# Altium PCB PCB.PcbDoc (part 1 of 2) (continued)
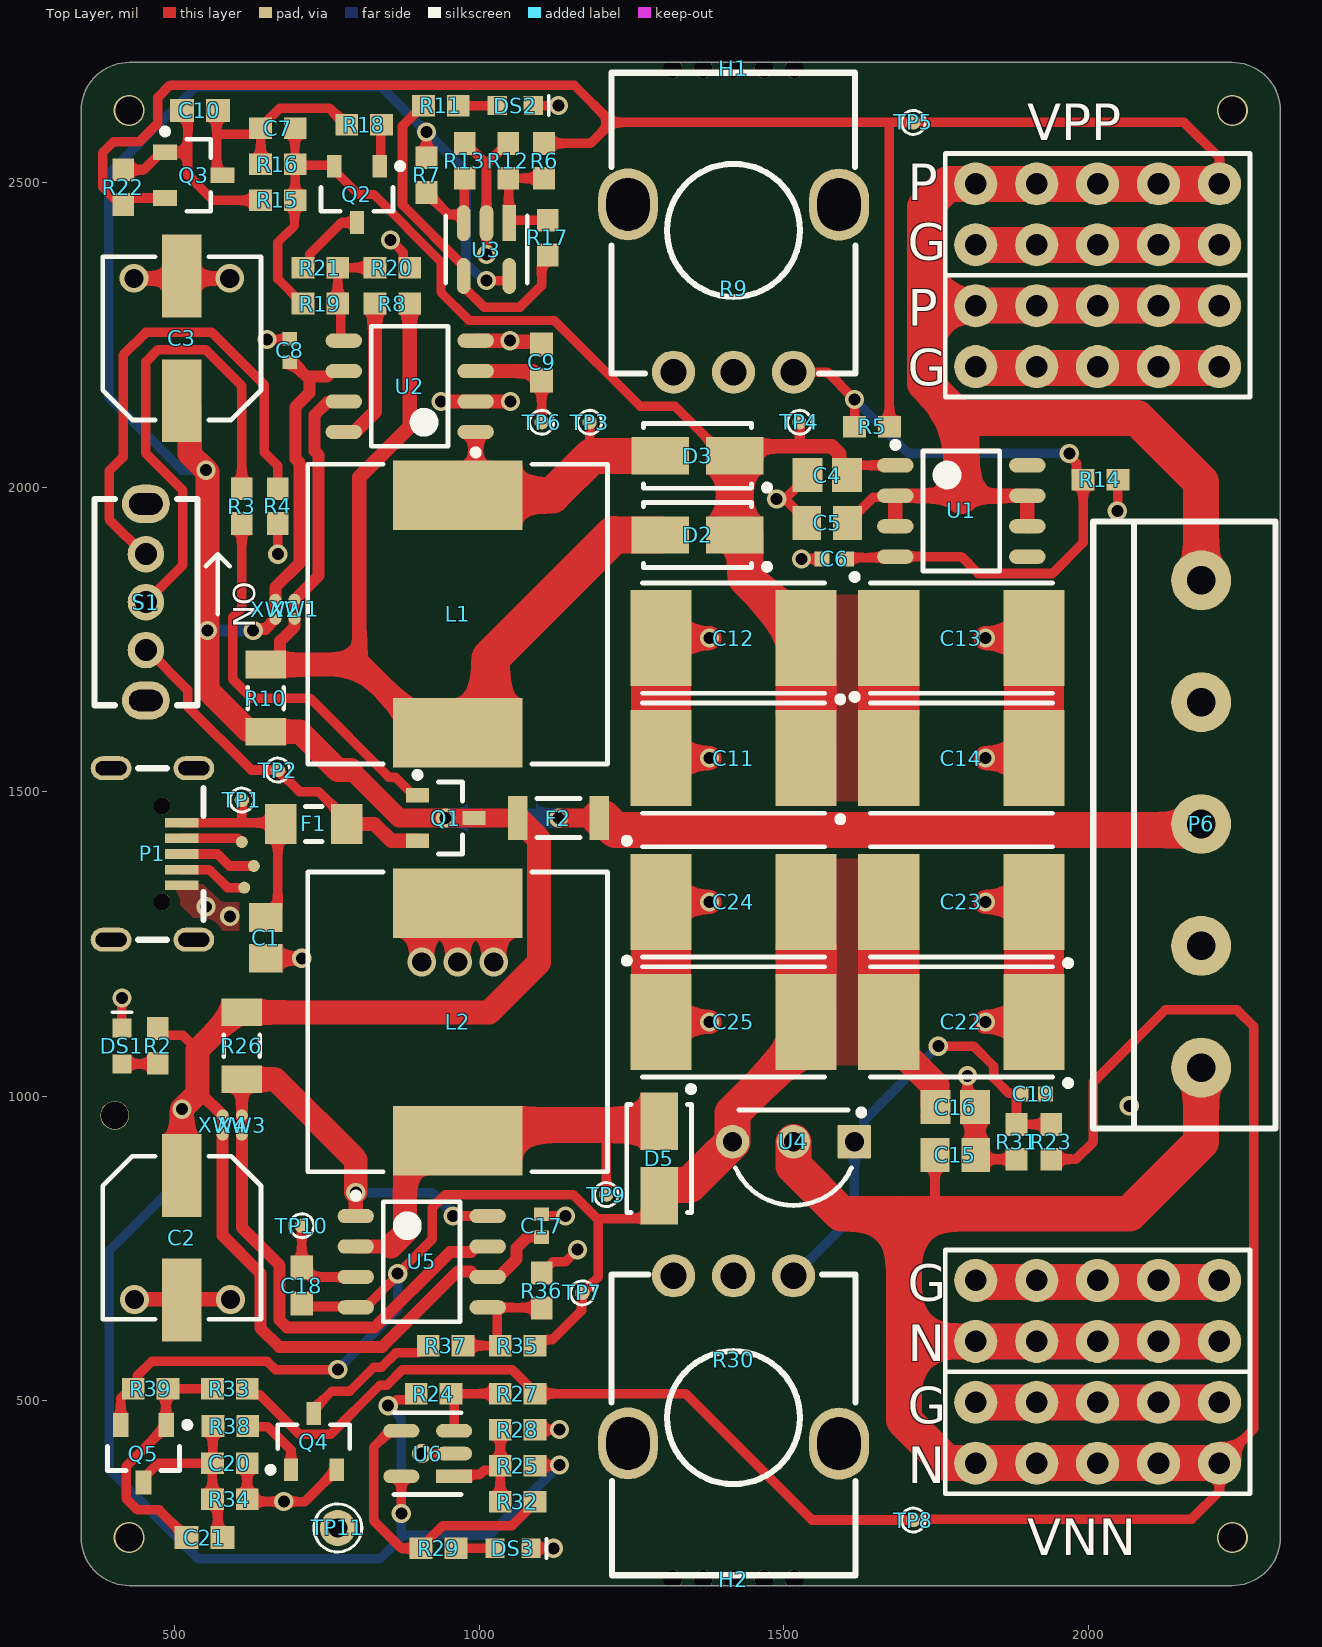
[diagram p0: Top Layer view]
## Components (designator, comment, footprint, x,y, rotation, side; value= is the part's Value field where it differs from the comment) (continued)
R8 "0603WAF1200T5E" 0603 857.28,2301.18 r180 top value=120R
R9 "RK09K1130AU2" RK09K113 1417.32,2421.26 r0 top
R10 "1206W4F680LT5E" 1206 649.61,1653.54 r270 top value=0R68
R11 "0603WAF3300T5E" 0603 937.01,2625.98 r180 top value=330R
R12 "0603WAF3302T5E" 0603 1047.24,2535.43 r90 top value=33K
R13 "0603WAF1202T5E" 0603 976.38,2535.43 r90 top value=12K
R14 "0603WAF2701T5E" 0603 2019.68,2011.81 r0 top value=2K7
R15 "0603WAF4702T5E" "0603 (Uniroyal) B" 669.29,2470.47 r180 top value=47K
R16 "0603WAF2702T5E" 0603 669.29,2529.53 r180 top value=27K
R17 "0603WAF1003T5E" 0603 1112.2,2409.45 r270 top value=100K
R18 "0603WAF1002T5E" 0603 811.02,2594.49 r0 top value=10K
R19 "0603WAF5602T5E" 0603 739.17,2301.18 r180 top value=56K
R20 "0603WAF5601T5E" 0603 857.28,2360.24 r180 top value=5K6
R21 "0603WAF5601T5E" 0603 739.17,2360.24 r180 top value=5K6
R22 "0603WAF1002T5E" "0603 (Uniroyal) B" 415.35,2492.13 r270 top value=10K
R23 "0603WAF2400T5E" 0603 1938.98,925.2 r90 top value=240R
R24 "0603WAF3302T5E" 0603 925.2,511.81 r0 top value=33K
R25 "0603WAF3302T5E" 0603 1062.99,393.7 r180 top value=33K
R26 "1206W4F680LT5E" 1206 610.24,1082.68 r90 top value=0R68
R27 "0603WAF1003T5E" 0603 1062.99,511.81 r0 top value=100K
R28 "0603WAF5602T5E" 0603 1062.99,452.76 r0 top value=56K
R29 "0603WAF3300T5E" 0603 933.07,257.87 r0 top value=330R
R30 "RK09K1130AU2" RK09K113 1417.32,472.44 r180 top
R31 "0603WAF2701T5E" 0603 1881.89,925.2 r270 top value=2K7
R32 "0603WAF1003T5E" 0603 1062.99,334.65 r0 top value=100K
R33 "0603WAF4702T5E" "0603 (Uniroyal) B" 590.55,519.68 r180 top value=47K
R34 "0603WAF2702T5E" 0603 590.55,338.58 r180 top value=27K
R35 "0603WAF5601T5E" 0603 1062.99,590.55 r0 top value=5K6
R36 "0603WAF5602T5E" 0603 1102.36,681.1 r90 top value=56K
R37 "0603WAF5601T5E" 0603 944.88,590.55 r0 top value=5K6
R38 "0603WAF1002T5E" 0603 591.54,458.66 r0 top value=10K
R39 "0603WAF1002T5E" "0603 (Uniroyal) B" 460.63,519.68 r180 top value=10K
S1 "SS12D07L2B" SS12D07 452.76,1811.02 r270 top
TP1 "Test Point" "Test Point 0.6" 610.24,1486.22 r90 top
TP2 "Test Point" "Test Point 0.6" 669.29,1535.43 r90 top
TP3 "Test Point" "Test Point 0.6" 1181.1,2106.3 r90 top
TP4 "Test Point" "Test Point 0.6" 1525.59,2106.3 r90 top
TP5 "Test Point" "Test Point 0.6" 1712.6,2598.43 r90 top
TP6 "Test Point" "Test Point 0.6" 1102.36,2106.3 r90 top
TP7 "Test Point" "Test Point 0.6" 1169.29,677.17 r90 top
TP8 "Test Point" "Test Point 0.6" 1712.6,304.32 r90 top
TP9 "Test Point" "Test Point 0.6" 1208.66,838.58 r90 top
TP10 "Test Point" "Test Point 0.6" 708.66,787.4 r90 top
TP11 "Test Point" "Test Point 0.8 TH" 767.72,291.34 r90 top
U1 "LM317LBDR2G" "SOIC-8 NB" 1791.34,1960.63 r270 top
U2 "MC34063ADR2G" "SOIC-8 NB" 885.83,2165.35 r90 top
U3 "LMV321IDBVR" FP-DBV0005A-IPC_B 1011.81,2389.76 r270 top
U4 "LM337LZ/NOPB" "TO-92 (LM337)" 1515.75,925.2 r270 top
U5 "MC34063ADR2G" "SOIC-8 NB" 905.51,728.35 r270 top
U6 "LMV321IDBVR" FP-DBV0005A-IPC_B 915.35,413.39 r180 top
XW1 "Short 2 Nets" "Short 0.5mm 2 Net" 696.85,1799.21 r270 top net-tie value=0
XW2 "Short 2 Nets" "Short 0.5mm 2 Net" 665.35,1799.21 r270 top net-tie value=0
XW3 "Short 2 Nets" "Short 0.5mm 2 Net" 610.24,952.76 r90 top net-tie value=0
XW4 "Short 2 Nets" "Short 0.5mm 2 Net" 578.74,952.76 r90 top net-tie value=0

## Footprints (in the part's own frame and the unit in brackets; to place one, negate y for a bottom-side part, rotate by r counter-clockwise, add the part's x,y. Pads: shape width x height; smd on the part's side, far side on the other; paste and mask are expansions set on the pad)
0402_050 [mm] "Chip Capacitor, 2-Leads, Body 1,00x0,50mm, IPC Medium Density"
  rect 0.62x0.62 smd: 1(-0.51,0) 2(0.51,0)
  body extent -0.48,-0.28 0.48,0.28, height 0.55
0402_050_5_N [mm] "Chip Capacitor, 2-Leads, Body 1,00x0,50mm, IPC Medium Density"
  rect 0.57x0.62 smd: 1(-0.485,0) 2(0.485,0)
  body extent -0.53,-0.28 0.53,0.28, height 0.55
0603 [mm] "Chip Resistor, 2-Leads, Body 1,60x0,80mm, IPC Medium Density"
  rect 0.95x0.9 smd: 1(-0.725,0) 2(0.725,0)
  body extent -0.85,-0.45 0.85,0.45, height 0.55
"0603 (Uniroyal) B" [mm] "Chip Resistor, 2-Leads, Body 1.60x0.80mm, IPC Medium Density"
  rect 0.95x0.9 smd: 1(-0.725,0) 2(0.725,0)
  body extent -0.85,-0.45 0.85,0.45, height 0.55
0603_080_8_N [mm] "Chip Capacitor, 2-Leads, Body 1,60x0,80mm, IPC Medium Density"
  rect 1x0.95 smd: 1(-0.75,0) 2(0.75,0)
  body extent -0.85,-0.45 0.85,0.45, height 0.9
0605_065_A_N [mm] "Chip Capacitor, 2-Leads, Body 2,00x1,25mm, IPC Medium Density"
  rect 1.2x1.4 smd: 1(-0.85,0) 2(0.85,0)
  body extent -1.05,-0.67 1.05,0.67, height 0.75
0805#1 [mm] "Chip Capacitor, 2-Leads, Body 2,00x1,25mm, IPC Medium Density"
  rect 1.25x1.4 smd: 1(-0.825,0) 2(0.825,0)
  body extent -1.05,-0.67 1.05,0.67, height 0.9
0805#2 [mm] "Chip Resistor, 2-Leads, Body 2,00x1,27mm, IPC Medium Density"
  rect 1.1x1.4 smd: 1(-0.875,0) 2(0.875,0)
  body extent -1.07,-0.7 1.07,0.7, height 0.65
0805_125_F_N [mm] "Chip Capacitor, 2-Leads, Body 2,00x1,25mm, IPC Medium Density"
  rect 1.2x1.4 smd: 1(-0.85,0) 2(0.85,0)
  body extent -1.05,-0.67 1.05,0.67, height 1.35
1206 [mm] "Chip Resistor, 2-Leads, Body 3,10x1,58mm, IPC Medium Density"
  rect 1.15x1.7 smd: 1(-1.4,0) 2(1.4,0)
  silkscreen extent -0.45,-0.75 0.45,0.75, body extent -1.63,-0.85 1.63,0.85, height 0.65
"CAPAE 6354" [mm] "Aluminum Electrolytic Capacitor, Body 6,60x6,50x5,90mm, IPC Low Density"
  rect 3.45x1.65 smd: 1(2.6,0) 2(-2.6,0)
  silkscreen extent -3.4,-3.3 3.4,3.3, body extent -3.5,-3.3 3.5,3.3, height 5.9
"CASE D" [mm] "Molded Capacitor, 2-Leads, Body 7,30x4,30mm, IPC Medium Density"
  rect 2.55x4 smd: 1(3.025,0) 2(-3.025,0)
  silkscreen extent -3.8,-2.67 4.58,2.3, body extent -4.02,-2.3 4.02,2.3, height 3.1
DO-214AC [mm] "Molded Diode, 2-Leads, Body 4,25x2,50mm, IPC Medium Density"
  rect 2.4x1.55 smd: 1(1.55,0) 2(-1.55,0)
  silkscreen extent -2.25,-1.45 3.03,1.35, body extent -2.47,-1.35 2.47,1.35, height 2.2
FP-DBV0005A-IPC_B [mm]
  rect 1.505x0.572 smd: 1(-1.1,0.95)
  rrect100% 1.505x0.572 smd: 2(-1.1,0) 3(-1.1,-0.95) 4(1.1,-0.95) 5(1.1,0.95)
  silkscreen extent -1.4,-1.7 1.4,1.7, body extent -1.5,-1.52 1.5,1.53, height 1.45
FUSE3216X09N [mm] "SMD Fuse 2-Leads, Body 3,25x1,65mm, IPC Medium Density"
  rect 0.82x1.83 smd: 1(-1.695,0) 2(1.695,0)
  silkscreen extent -0.9,-0.81 0.9,0.81, body extent -1.65,-0.81 1.65,0.82, height 0.82
"Fuse 1206 (Littlefuse 468) B" [mm] "Chip Fuse, 2-Leads, Body 3,18x1,52mm, IPC Medium Density"
  rect 1.3x1.65 smd: 1(-1.375,0) 2(1.375,0)
  silkscreen extent -0.35,-0.72 0.35,0.72, body extent -1.65,-0.82 1.65,0.81, height 0.82
"LED 0603" [mm] "Chip LED, 2-Leads, Body 1,60x0,80mm, IPC Medium Density"
  rect 0.8x0.8 smd: A(0.75,0) K(-0.75,0)
  silkscreen extent -1.4,-0.4 -1.4,0.4, body extent -0.8,-0.4 0.8,0.4, height 0.8
"MICRO 4P DIP" [mm] "Micro USB Connector SMT with TH Mounts"
  rect 1.4x0.4 smd: 1(0,-1.3) 2(0,-0.65) 3(0,0) 4(0,0.65) 5(0,1.3)
  oval 1.7x1 hole 0.6 slot 1.3 at 0 deg: 6(-0.5,3.575) 6(-0.5,-3.575) 6(2.95,3.575) 6(2.95,-3.575)
  round 0.7 hole 0.7 unplated: ""(0.825,2) ""(0.825,-2)
  silkscreen extent -0.91,-3.57 1.82,3.57, body extent -1.1,-4 5.5,4, height 2.77
"Mouse Bites 5 IPC-7351" [mil] "IPC-7351 Specified Mouse Bites"
  round 31 hole 31 unplated paste+5.83 mask+5.83: ""(-100,10) ""(-50,10) ""(0,10) ""(50,10) ""(100,10)
"Pin Header 10 2 Vertical Male" [mm] "Pin Header 10 Way Double Row Male Verical 100mil Spacing"
  round 1.8 hole 0.9: 1(-1.27,5.08) 2(1.27,5.08) 3(-1.27,2.54) 4(1.27,2.54) 5(-1.27,0) 6(1.27,0) 7(-1.27,-2.54) 8(1.27,-2.54) 9(-1.27,-5.08) 10(1.27,-5.08)
  silkscreen extent -2.54,-6.35 2.54,6.35, body extent -2.54,-6.35 2.54,6.35, height 9.5
RK09K113 [mm] "Through Hole Potentiometer Vertical"
  round 1.8 hole 1.1: 1(-2.5,-5.913) 2(0,-5.913) 3(2.5,-5.913)
  oval 2.5x3 hole 1.8 slot 2.2 at 90 deg: 4(-4.4,1.087) 5(4.4,1.072)
  silkscreen extent -5.09,-5.97 5.08,6.57, body extent -5.7,-6.15 5.7,6.5, height 15.01
"SCREW DOWN 5" [mm] "Scre Down 5 Terminal"
  round 2.5 hole 1.2: 1(-10.16,0) 2(-5.08,0) 3(0,0) 4(5.08,0) 5(10.16,0)
  silkscreen extent -12.62,-4.5 12.7,3.1, body extent -12.5,-4.5 13.1,3.1, height 10.1
"Short 0.5mm 2 Net" [mm] "Net Tie 0.5mm Width 2 Nets"
  round 0.5 smd mask+0: 1(-0.4,0) 2(0.4,0)
  Top Layer lines w0.5: 0.4,0 -0.4,0
"SOIC-8 NB" [mm] "SOIC, 8-Leads, Body 4,90x3,90mm, Pitch 1,27mm, IPC Medium Density"
  oval 0.6x1.52 smd: 1(-1.905,-2.75) 2(-0.635,-2.75) 3(0.635,-2.75) 4(1.905,-2.75) 5(1.905,2.75) 6(0.635,2.75) 7(-0.635,2.75) 8(-1.905,2.75)
  silkscreen extent -2.88,-2.87 2.5,1.6, body extent -2.5,-3 2.5,3, height 1.75
"SOT-23-3 (2N7002)" [mm] "SOT23, 3-Leads, Body 2,90x2,40mm, Pitch 0,95mm, IPC Medium Density"
  rect 0.95x0.6 smd: 1(1.175,-0.95) 2(1.175,0.95) 3(-1.175,0)
  silkscreen extent -0.7,-1.92 1.3,1.5, body extent -1.28,-1.5 1.28,1.5, height 1.15
"SOT-23-3 Generic" [mm] "SOT23, 3-Leads, Body 2,92x2,37mm, Pitch 0,95mm, IPC Medium Density"
  rect 1x0.65 smd: 1(1.2,-0.95) 2(1.2,0.95) 3(-1.2,0)
  silkscreen extent -0.7,-1.95 1.32,1.5, body extent -1.32,-1.52 1.32,1.52, height 1.12
SS12D07 [mil] "Through Hile Toggle Slide Switch"
  round 60 hole 36: 1(-78.74,0) 2(0,0) 3(78.74,0)
  oval 62.99x78.74 hole 35.43 slot 55.12 at 90 deg: EH(-161.42,0) EH(161.42,0)
  silkscreen extent -169,-85 169,85, body extent -169,-89 169,89, height 303
SWRB1207S [mm] "Precision Wire Wound Inductor, 2-Leads, Body 12,50x12,50mm, IPC Medium Density"
  rect 2.9x5.4 smd: 1(-4.95,0) 2(4.95,0)
  silkscreen extent -6.25,-6.25 6.25,6.25, body extent -6.35,-6.25 6.35,6.25, height 8.1
"Test Point 0.6" [mm] "Test Point 0.6mm w/ Silk Circle"
  round 0.6 smd: 1(0,0)
  silkscreen extent -0.5,-0.5 0.5,0.5
"Test Point 0.8 TH" [mm] "Test Point 0.6mm w/ Silk Circle"
  round 1.5 hole 0.8: 1(0,0)
  silkscreen extent -1,-1 1,1
"TO-92 (LM337)" [mm]
  rrect7% 1.4x1.4 hole 0.8: 1(0,2.54)
  round 1.4 hole 0.8: 2(0,0) 3(0,-2.54)
  silkscreen extent -1.35,-2.41 2.65,2.95, body extent -1.33,-2.83 2.35,2.83, height 9.01

## Part data
C1: library part "MLCC 10nF 0805 50V X7R", "MLCC 10nF 0805 50V X7R ±10%", Dielectric=X7R, LCSC Part Number=C1710, Package=0805, Supplier Part Number 1=1276-1015-1-ND, Tolerance=±10%, Voltage=50V, ComponentLink1Description=Datasheet, ComponentLink1URL=https://datasheet.lcsc.com/szlcsc/Samsung-Electro-Mechanics-CL05C100JB5NNNC_C32949.pdf, Populate=CRITICAL, Supplier 1=Digi-Key
C2 C3: library part "Cap AlEl 220uF 10V", "Aluminium Electrolytic Capacitor 220uF CAPAE 10V ±20%", Dielectric=AlEl, LCSC Part Number=C3345, Manufacturer="Honor Elec", Package=CAPAE, Tolerance=±20%, Voltage=10V, ComponentLink1Description=Datasheet, ComponentLink1URL=https://datasheet.lcsc.com/szlcsc/Samsung-Electro-Mechanics-CL05C100JB5NNNC_C32949.pdf, Populate=CRITICAL
C4 C16: library part "MLCC 100nF 50V 0805 X7R", "MLCC 100nF 50V 0805 X7R ±10%", Dielectric=X7R, LCSC Part Number=C49678, Package=0805, Tolerance=±10%, Voltage=50V, ComponentLink1Description=Datasheet, ComponentLink1URL=https://datasheet.lcsc.com/szlcsc/YAGEO-CC0603KRX7R9BB104_C14663.pdf, Populate=DNP
C5 C15: library part "MLCC 1uF 0805 50V X7R", "MLCC 1uF 0805 50V X7R ±10%", Dielectric=X7R, LCSC Part Number=C28323, Package=0805, Supplier Part Number 1=1276-1029-1-ND, Tolerance=±10%, Voltage=50V, ComponentLink1Description=Datasheet, ComponentLink1URL=https://datasheet.lcsc.com/szlcsc/Samsung-Electro-Mechanics-CL05C100JB5NNNC_C32949.pdf, Populate=CRITICAL, Supplier 1=Digi-Key, Supplier 2=Digi-Key, Supplier Part Number 2=1276-1026-1-ND
C6 C19: library part "MLCC 3.3pF 0402 50V C0G", "MLCC 3.3pF 0402 50V C0G ±0.25pF", Dielectric=C0G, LCSC Part Number=C1565, Package=0402, Tolerance=±0.25pF, Voltage=50V, ComponentLink1Description=Datasheet, ComponentLink1URL=https://datasheet.lcsc.com/szlcsc/Guangdong-Fenghua-Advanced-Tech-0402B102K500NT_C1523.pdf, Populate=CRITICAL
C7 C20: library part "MLCC 100nF 50V 0603 X7R", "MLCC 100nF 50V 0603 X7R ±10%", Dielectric=X7R, LCSC Part Number=C14663, Package=0603, Supplier Part Number 1=311-1344-6-ND, Tolerance=±10%, Voltage=50V, ComponentLink1Description=Datasheet, ComponentLink1URL=https://datasheet.lcsc.com/szlcsc/YAGEO-CC0603KRX7R9BB104_C14663.pdf, Populate=CRITICAL, Supplier 1=Digi-Key
C8 C17: library part "MLCC 100nF 0402 16V X7R", "MLCC 100nF 0402 16V X7R ±10%", Dielectric=X7R, LCSC Part Number=C1525, Package=0402, Tolerance=±10%, Voltage=16V, ComponentLink1Description=Datasheet, ComponentLink1URL=https://datasheet.lcsc.com/szlcsc/Samsung-Electro-Mechanics-CL05C100JB5NNNC_C32949.pdf, Populate=CRITICAL
C9 C18: library part "MLCC 1nF 0603 50V X7R", "MLCC 1nF 0603 50V X7R ±10%", Dielectric=X7R, LCSC Part Number=C1588, Package=0603, Tolerance=±10%, Voltage=50V, ComponentLink1Description=Datasheet, ComponentLink1URL=https://datasheet.lcsc.com/szlcsc/Samsung-Electro-Mechanics-CL05C100JB5NNNC_C32949.pdf, Populate=CRITICAL
C10 C21: library part CMP-045-000007-1, "MLCC 10pF 0603 C0G ±0.1pF", Dielectric=C0G, LCSC Part Number=C1634, Package=0603, Tolerance=±0.1pF, Voltage=50V, ComponentLink1Description=Datasheet, ComponentLink1URL=https://datasheet.lcsc.com/szlcsc/Samsung-Electro-Mechanics-CL05C100JB5NNNC_C32949.pdf, Design Item ID="MLCC 10pF 0603 50V C0G", Populate=DNP, Source="MLCCs Samsung.SchLib"
C11 C12 C13 C14 C22 C23 C24 C25: library part "Cap Tant 100uF 16V Vishay", "Tantalum Capacitor 100uF 16V ±20%", Dielectric=Tant, LCSC Part Number=C129696, Manufacturer=Vishay, Package=7343, Tolerance=±20%, Voltage=16V, ComponentLink1Description=Datasheet, ComponentLink1URL=https://datasheet.lcsc.com/szlcsc/Vishay-Intertech-293D107X9016D2TE3_C129696.pdf, Populate=CRITICAL
D2 D3 D5: "Schottky Barrier Diode 40V 3A0 550mV", LCSC Part Number=C8678, Manufacturer=MDD, Package=DO-214AC, ComponentLink1Description=Datasheet, ComponentLink1URL=https://datasheet.lcsc.com/szlcsc/1903051003_MDD-Jiangsu-Yutai-Elec-SS34_C8678.pdf, DC Forward Curent=3A0, DC Reverse Blocking=40V, Placement=CRITICAL
DS1 DS2 DS3: library part CMP-035-000000-4, "LED 0603 SMT Green", Colour=Green, Forward Current=20mA, Forward Voltage=3V3, LCSC Part Number=C72043, Package=0603, ComponentLink1Description=Datasheet, ComponentLink1URL=https://datasheet.lcsc.com/szlcsc/Everlight-Elec-19-217-GHC-YR1S2-3T_C72043.pdf, Dominant Wavelength=528nm, Pin Count=2, Placement=CRITICAL
F1: library part CMP-005-00003-1, "Fuse 1A 63VAC/VDC SMD Littlefuse", Current=1A, LCSC Part Number=C45157, Max Operating Temperature=90°C, Min Operating Temperature=-55°C, Package=1206, Resistance=79mR, Voltage=63V, Body Material="Thin Film", ComponentLink1Description=Datasheet, ComponentLink1URL=https://datasheet.lcsc.com/lcsc/1810111814_Littelfuse-0468001.NRHF_C45157.pdf, Placement=CRITICAL, RoHS Compliant=Yes
F2: library part CMP-065-000000-4, "Fuse SMD PTC Resettable 460mA 30VDC 1206", Current=460mA, LCSC Part Number=C69680, Package=1206, Resistance=350mR, Voltage=30V, ComponentLink1Description=Datasheet, ComponentLink1URL=https://datasheet.lcsc.com/lcsc/1811141110_TECHFUSE-nSMD020-30V_C69680.pdf, Design Item ID="Fuse 460mA PTC 1206", Placement=CRITICAL, Source=Fuses.SchLib, Type="PTC Resettable"
H1 H2: library part CMP-00028-00006-1, "Mouse Bites 5 Hile Specified by IPC-7351", Size=31mil
L1 L2: library part "Inductor 330uH ±20% 0A95", "Inductor 330uH ±20% 0A95 640mR Moulded SMD 12.5x12.5x8.0mm", DC Resistance=640mR, LCSC Part Number=C169381, Manufacturer=Sunlord, Rated Current=0A95, Tolerance=±20%, ComponentLink1Description=Datasheet, ComponentLink1URL=https://datasheet.lcsc.com/szlcsc/1912111437_Sunlord-MWSA0603S-220MT_C408453.pdf, Populate=CRITICAL, Saturation Current=0A95
P1: "Micro USB Connector SMT with TH Mounts", LCSC Part Number=C456008, Placement=CRITICAL, USB Connector Type="Micro USB"
P2 P3 P4 P5: library part "Pin Header 10 2 Male Vertical", "Pin Header 10 Way Double Row Vertical Angle", LCSC Part Number=C225520, ComponentLink1Description=Datasheet, ComponentLink1URL=https://datasheet.lcsc.com/szlcsc/2010160505_CJT-Changjiang-Connectors-A2541WV-2x5P_C225520.pdf, Placement=CRITICAL, Type=Header
P6: library part "Screw Down 5 Way 5.08mm", "Screw Down Terminal 5 Way 5.08mm Pitch", Placement=CRITICAL
Q1: "MOSFET Trench 4A0 30V 85mR ±12V P-Channel Enhancement AOS SOT-22-3L", LCSC Part Number=C15127, Package=SOT-23-3, Power=0.9W, ComponentLink2Description=Datasheet, ComponentLink2URL=https://datasheet.lcsc.com/szlcsc/Alpha-Omega-Semicon-AOS-AO3401A_C15127.pdf, Id Max=3A2, Placement=CRITICAL, Rds Max=85mR, VDS Max=-30V, VGS Max=±12V, VGS(th) Max=-1v3
Q2 Q4: "Small Signal MOSFET, 130 mA, 50 V, P-Channel, Enhancement, LRC SOT-23-3", LCSC Part Number=C8492, Package=SOT-23-3, Power=0.225W, Ciss Typ=30pF, ComponentLink2Description=Datasheet, ComponentLink2URL=https://datasheet.lcsc.com/szlcsc/Leshan-Radio-LBSS84LT1G_C8492.pdf, Coss Typ=10pF, Crss Typ=5pF, Id Max=0.13A, Placement=CRITICAL, Rds Max=10R, VDS Max=-50V, VGS Max=±20V, VGS(th) Max=2V0
Q3 Q5: "BJT NPN 1A5 25V SOT-23-3", Collector Current=1A5, LCSC Part Number=C2150, Manufacturer="Changjiang Electronics", Power=300mW, ComponentLink1Description=Datasheet, ComponentLink1URL=https://datasheet.lcsc.com/szlcsc/Changjiang-Electronics-Tech-CJ-SS8050_C2150.pdf, DC Gain=120-400, Placement=CRITICAL, VCE=25V, VCE(sat)=0V5
R1: library part CMP-010-000281-11, "Jumper 0805 2A Uniroyal", Current=2A, LCSC Part Number=C17477, Manufacturer=Uniroyal, Package=0805, Temperature="-55 - 155°C", Tolerance=±1%, ComponentLink1Description=Datasheet, ComponentLink1URL=https://datasheet.lcsc.com/szlcsc/1811062009_UNI-ROYAL-Uniroyal-Elec-0603WAF1002T5E_C25804.pdf, Pin Count=2, Populate=CRITICAL
R2 R11 R29: library part "Res 330R 0603", "Lead Free Thick Film Chip Resistor 0805 ±1%", LCSC Part Number=C23138, Package=0603, Power=0.1W, Temperature="-55 ~ 155°C", Tolerance=±1%, ComponentLink1Description=Datasheet, ComponentLink1URL=https://datasheet.lcsc.com/szlcsc/1811062009_UNI-ROYAL-Uniroyal-Elec-0603WAF1002T5E_C25804.pdf, Populate=CRITICAL
R3 R38: library part "Res 10K 0603", "Lead Free Thick Film Chip Resistor 0603 ±1%", LCSC Part Number=C25804, Package=0603, Power=0.1W, Temperature="-55 ~ 155°C", Tolerance=±1%, ComponentLink1Description=Datasheet, ComponentLink1URL=https://datasheet.lcsc.com/szlcsc/1811062009_UNI-ROYAL-Uniroyal-Elec-0603WAF1002T5E_C25804.pdf, Populate=CRITICAL
R4 R8: library part "Res 120R 0603", "Lead Free Thick Film Chip Resistor 0603 ±1%", LCSC Part Number=C22787, Package=0603, Power=0.1W, Temperature="-55 ~ 155°C", Tolerance=±1%, ComponentLink1Description=Datasheet, ComponentLink1URL=https://datasheet.lcsc.com/szlcsc/1811062009_UNI-ROYAL-Uniroyal-Elec-0603WAF1002T5E_C25804.pdf, Populate=CRITICAL
R5 R23: library part "Res 240R 0603", "Lead Free Thick Film Chip Resistor 0603 ±1%", LCSC Part Number=C23350, Package=0603, Power=0.1W, Temperature="-55 ~ 155°C", Tolerance=±1%, ComponentLink1Description=Datasheet, ComponentLink1URL=https://datasheet.lcsc.com/szlcsc/1811062009_UNI-ROYAL-Uniroyal-Elec-0603WAF1002T5E_C25804.pdf, Populate=CRITICAL
R6: library part CMP-010-000350-7, "Resistor 68K 0603 ±1% Thick Film Uniroyal", LCSC Part Number=C23231, Manufacturer=Uniroyal, Package=0603, Power=0.1W, Temperature="-55 - 155°C", Temperature Coefficient=±100ppm/K, Tolerance=±1%, Working Voltage=50V, ComponentLink1Description=Datasheet, ComponentLink1URL=https://datasheet.lcsc.com/szlcsc/1811062009_UNI-ROYAL-Uniroyal-Elec-0603WAF1002T5E_C25804.pdf, Pin Count=2, Populate=CRITICAL
R7 R12 R24 R25: library part CMP-010-000332-8, "Resistor 33K 0603 ±1% Thick Film Uniroyal", LCSC Part Number=C4216, Manufacturer=Uniroyal, Package=0603, Power=0.1W, Temperature="-55 - 155°C", Temperature Coefficient=±100ppm/K, Tolerance=±1%, Working Voltage=50V, ComponentLink1Description=Datasheet, ComponentLink1URL=https://datasheet.lcsc.com/szlcsc/1811062009_UNI-ROYAL-Uniroyal-Elec-0603WAF1002T5E_C25804.pdf, Pin Count=2, Populate=CRITICAL
R9 R30: library part "Pot 5K THT 9.8mm", "5K Potentiometer THT 9.8mm Diameter ±20% 20VDC", LCSC Part Number=C388855, Manufacturer=Alpsalpine, Resistance=5K, Placement=CRITICAL
R10 R26: library part "Res 0R68 1206", "Lead Free Thick Film Chip Resistor 1206 ±1%", LCSC Part Number=C19108, Package=1206, Power=0.25W, Temperature="-55 ~ 155°C", Tolerance=±1%, ComponentLink1Description=Datasheet, ComponentLink1URL=https://datasheet.lcsc.com/szlcsc/1811062009_UNI-ROYAL-Uniroyal-Elec-0603WAF1002T5E_C25804.pdf, Populate=CRITICAL
R13: library part CMP-010-000351-9, "Resistor 12K 0603 ±1% Thick Film Uniroyal", LCSC Part Number=C22790, Manufacturer=Uniroyal, Package=0603, Power=0.1W, Temperature="-55 - 155°C", Temperature Coefficient=±100ppm/K, Tolerance=±1%, Working Voltage=50V, ComponentLink1Description=Datasheet, ComponentLink1URL=https://datasheet.lcsc.com/szlcsc/1811062009_UNI-ROYAL-Uniroyal-Elec-0603WAF1002T5E_C25804.pdf, Pin Count=2, Populate=CRITICAL
R14 R31: library part "Res 2K7 0603", "Lead Free Thick Film Chip Resistor 0603 ±1%", LCSC Part Number=C13167, Package=0603, Power=0.1W, Temperature="-55 ~ 155°C", Tolerance=±1%, ComponentLink1Description=Datasheet, ComponentLink1URL=https://datasheet.lcsc.com/szlcsc/1811062009_UNI-ROYAL-Uniroyal-Elec-0603WAF1002T5E_C25804.pdf, Populate=CRITICAL
R15 R33: library part CMP-010-000404-1, "Resistor 47K 0603 ±1% Thick Film Uniroyal", LCSC Part Number=C25819, Manufacturer=Uniroyal, Package=0603, Power=0.1W, Temperature="-55 - 155°C", Temperature Coefficient=±100ppm/K, Tolerance=±1%, Working Voltage=50V, ComponentLink1Description=Datasheet, ComponentLink1URL=https://datasheet.lcsc.com/szlcsc/1811062009_UNI-ROYAL-Uniroyal-Elec-0603WAF1002T5E_C25804.pdf, Pin Count=2, Populate=CRITICAL
R16 R34: library part "Res 27K 0603", "Lead Free Thick Film Chip Resistor 0603 ±1%", LCSC Part Number=C22967, Package=0603, Power=0.1W, Temperature="-55 ~ 155°C", Tolerance=±1%, ComponentLink1Description=Datasheet, ComponentLink1URL=https://datasheet.lcsc.com/szlcsc/1811062009_UNI-ROYAL-Uniroyal-Elec-0603WAF1002T5E_C25804.pdf, Populate=CRITICAL
R17 R27 R32: library part CMP-010-000288-8, "Resistor 100K 0603 ±1% Thick Film Uniroyal", LCSC Part Number=C25803, Manufacturer=Uniroyal, Package=0603, Power=0.1W, Temperature="-55 - 155°C", Temperature Coefficient=±100ppm/K, Tolerance=±1%, Working Voltage=50V, ComponentLink1Description=Datasheet, ComponentLink1URL=https://datasheet.lcsc.com/szlcsc/1811062009_UNI-ROYAL-Uniroyal-Elec-0603WAF1002T5E_C25804.pdf, Pin Count=2, Populate=CRITICAL
R18: library part CMP-010-000293-7, "Resistor 10K 0603 ±1% Thick Film Uniroyal", LCSC Part Number=C25804, Manufacturer=Uniroyal, Package=0603, Power=0.1W, Temperature="-55 - 155°C", Temperature Coefficient=±100ppm/K, Tolerance=±1%, Working Voltage=50V, ComponentLink1Description=Datasheet, ComponentLink1URL=https://datasheet.lcsc.com/szlcsc/1811062009_UNI-ROYAL-Uniroyal-Elec-0603WAF1002T5E_C25804.pdf, Pin Count=2, Populate=CRITICAL
R19 R36: library part "Res 56K 0603", "Lead Free Thick Film Chip Resistor 0603 ±1%", LCSC Part Number=C23206, Package=0603, Power=0.1W, Temperature="-55 ~ 155°C", Tolerance=±1%, ComponentLink1Description=Datasheet, ComponentLink1URL=https://datasheet.lcsc.com/szlcsc/1811062009_UNI-ROYAL-Uniroyal-Elec-0603WAF1002T5E_C25804.pdf, Populate=CRITICAL
R20 R21 R35 R37: library part "Res 5K6 0603", "Lead Free Thick Film Chip Resistor 0603 ±1%", LCSC Part Number=C23189, Package=0603, Power=0.1W, Temperature="-55 ~ 155°C", Tolerance=±1%, ComponentLink1Description=Datasheet, ComponentLink1URL=https://datasheet.lcsc.com/szlcsc/1811062009_UNI-ROYAL-Uniroyal-Elec-0603WAF1002T5E_C25804.pdf, Populate=CRITICAL
R22 R39: library part CMP-010-000293-8, "Resistor 10K 0603 ±1% Thick Film Uniroyal", LCSC Part Number=C25804, Manufacturer=Uniroyal, Package=0603, Power=0.1W, Temperature="-55 - 155°C", Temperature Coefficient=±100ppm/K, Tolerance=±1%, Working Voltage=50V, ComponentLink1Description=Datasheet, ComponentLink1URL=https://datasheet.lcsc.com/szlcsc/1811062009_UNI-ROYAL-Uniroyal-Elec-0603WAF1002T5E_C25804.pdf, Pin Count=2, Populate=CRITICAL
R28: library part CMP-010-000340-8, "Resistor 56K 0603 ±1% Thick Film Uniroyal", LCSC Part Number=C23206, Manufacturer=Uniroyal, Package=0603, Power=0.1W, Temperature="-55 - 155°C", Temperature Coefficient=±100ppm/K, Tolerance=±1%, Working Voltage=50V, ComponentLink1Description=Datasheet, ComponentLink1URL=https://datasheet.lcsc.com/szlcsc/1811062009_UNI-ROYAL-Uniroyal-Elec-0603WAF1002T5E_C25804.pdf, Pin Count=2, Populate=CRITICAL
S1: "Switch Toggle Slider THT Vertical 0A3 50V", Current=0A3, LCSC Part Number=C480342, Resistance=0R1, Voltage=50V, Placement=CRITICAL
TP1 TP2 TP3 TP4 TP5 TP6 TP7 TP8 TP9 TP10 TP11: "Test Point. Multiple pad options."
U1: library part LM317LDR2G, "100mA, 1V2 - 37V Adjustable Output, Positive Voltage Regulator", LCSC Part Number=C7940, Manufacturer="ON Semiconductor", Supplier Part Number 1="LM317LBDR2G-158539-ON SEMICONDUCTOR", ComponentLink1Description=Datasheet, ComponentLink1URL=https://datasheet.lcsc.com/szlcsc/ON-Semicon-ON-LM317LBDR2G_C274645.pdf, Placement=CRITICAL, Supplier 1="Bison Technologies"
U2 U5: "1A5 Step-Up, Step-Down, Inverting Switching Reulator", LCSC Part Number=C32078, Manufacturer="ON Semi", Supplier Part Number 1=MC34063ADR2GOSCT-ND, ComponentLink1Description=Datasheet, ComponentLink1URL=https://www.onsemi.com/pdf/datasheet/mc34063a-d.pdf, ComponentLink2Description="Application Note", ComponentLink2URL=https://www.onsemi.com/pub/Collateral/AN920-D.PDF, Placement=CRITICAL, Supplier 1=Digi-Key
U3 U6: library part CMP-000002-5, "OP AMP, 1MHZ, 1V/uS, SOT-23-5, FULL REEL; Bandwidth:1MHz; No. of Amplifiers:1; Slew Rate:1V/ s; Supply Voltage Range:2.7V to 5.5V; Amplifier Case Style:SOT-23; No. of Pins:5; Operating Temperature Min:-40 C; Packaging:Tape & Reel ;RoHS Compliant: Yes", LCSC Part Number=C7972, ComponentLink1Description=Datasheet, ComponentLink1URL=https://www.ti.com/lit/ds/symlink/lmv321.pdf?ts=1625124174430&ref_url=https%253A%252F%252Fwww.ti.com%252Fproduct%252FLMV321%253Futm_source%253Dgoogle%2526utm_medium%253Dcpc%2526utm_campaign%253Dasc-null-null-GPN_EN-cpc-pf-google-eu%2526utm_content%253DLMV321%2526ds_k%253DLMV321%2526DCM%253Dyes%2526gclid%253DCjwKCAjwz_WGBhA1EiwAUAxIcXFhr0oBZP9h7i0ZlpGDWrUqXkjNKF1mzIZ0pwkBWJ5DKtwNyNkjjRoCiuIQAvD_BwE%2526gclsrc%253Daw.ds, Placement=CRITICAL
U4: library part CMP-008-000015-2, "100mA, -1V2 to -37V Adjustable Negative Voltage Regulator", Current Rating=1A, LCSC Part Number=C33082, Manufacturer="Texas Instruments", Max Operating Temperature=100°C, Min Operating Temperature=-25°C, Output Current=100mA, ComponentLink1Description=Datasheet, ComponentLink1URL=https://www.ti.com/lit/ds/symlink/lm337l.pdf?ts=1616125755321&ref_url=https%253A%252F%252Fwww.google.ru%252F, Placement=CRITICAL, RoHS Compliant=Yes
XW1 XW2 XW3 XW4: "Net Tie 2 Nets"

## Free pads (board coordinates)
  round 47.24 hole 45.35 unplated mask+5.83: ""(401.57,968.5)
  round 51.18 hole 45.35 unplated mask+5.83: ""(425.2,275.59) ""(425.2,2618.11) ""(2236.22,275.59) ""(2236.22,2618.11)
  round 19.68 smd: ""(610.24,1417.32) ""(614.17,1342.52) ""(629.92,1377.95)

## Via types
v1: diameter 31.5, hole 19.68, Top Layer to Bottom Layer, tented both sides, 49 vias
v2: diameter 47.24, hole 31.5, Top Layer to Bottom Layer, tented both sides, 7 vias

## Nets (pads, with @x,y where several pads share a name; then routed paths per layer and width w, separated by ;. In a path a pad name is that pad's centre, name@x,y a point inside that pad or via, vN(x,y) a via of type N, cw(c..) or ccw(c..) an arc to the next point about the centre after c; other vN are vias at no path point)
BOOST_VF_FB: Q2.3 R21.2 | length 126.1
  Top Layer w15.75: R21.2@710.63,2360.24 711.61,2360.24 721.46,2370.08 721.46,2381.89 773.62,2434.06 Q2.3@799.21,2434.06